# Altium PCB SAMD21_Xplained_Pro.PcbDoc (part 2 of 2) (continued)
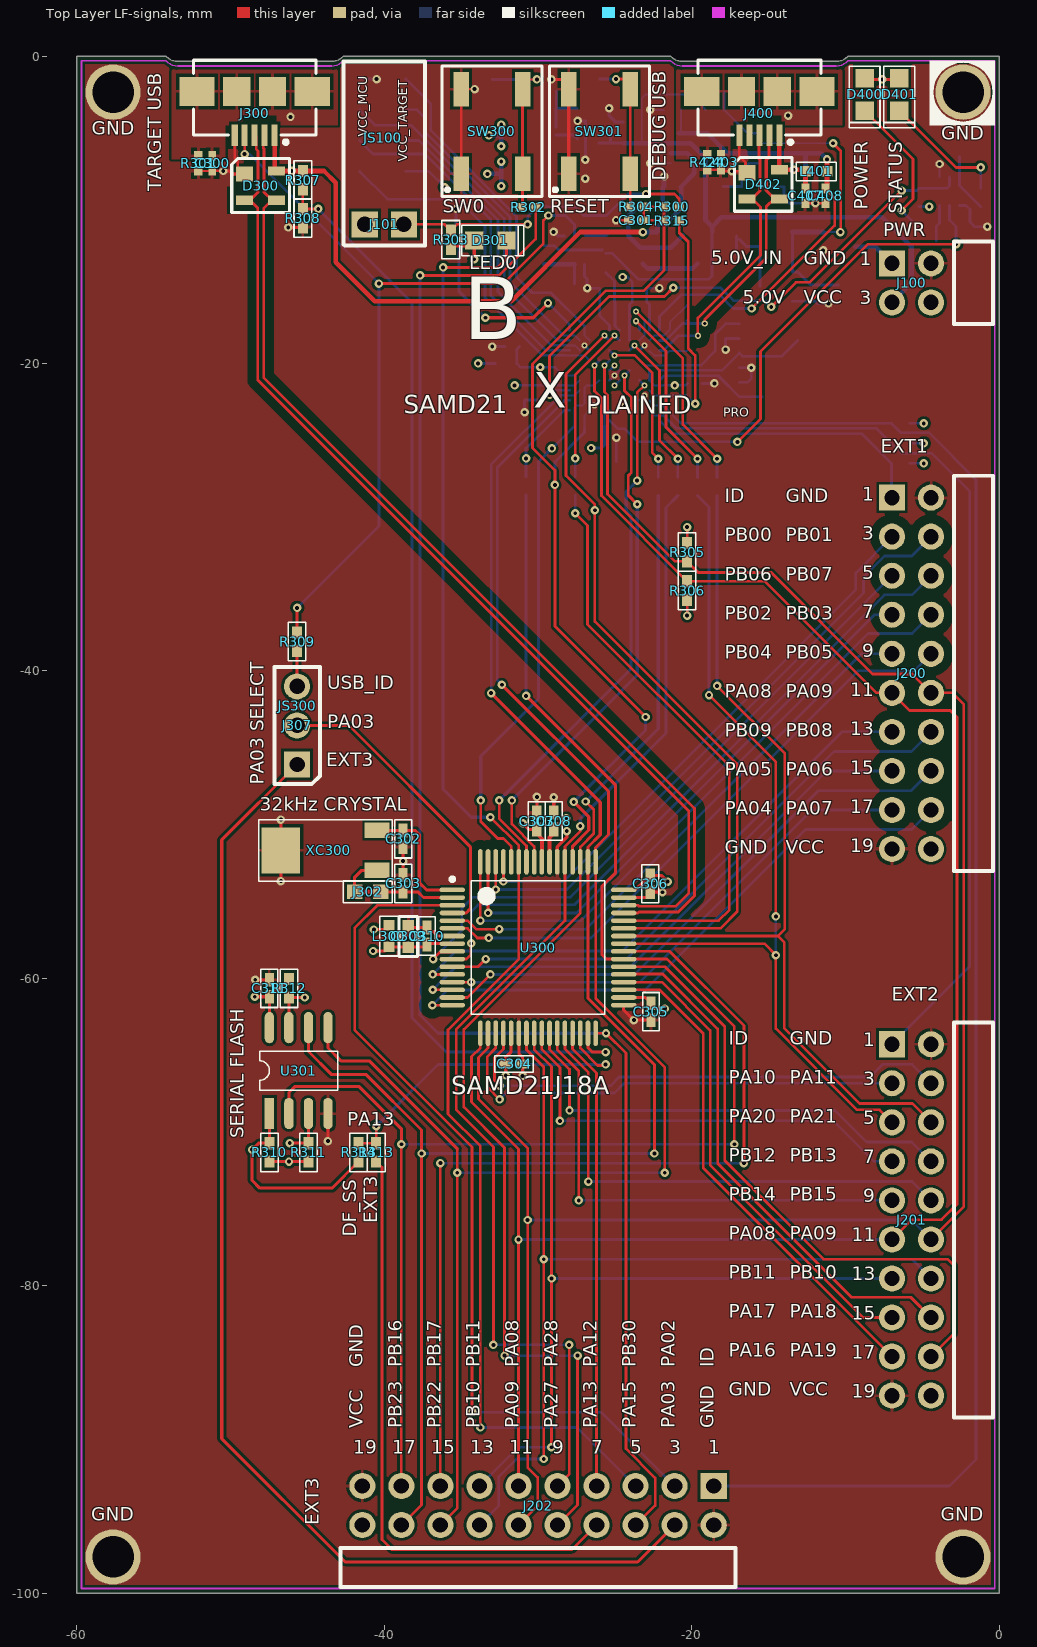
[diagram p0: Top Layer LF-signals view]
## Nets (pads, with @x,y where several pads share a name; then routed paths per layer and width w, separated by ;. In a path a pad name is that pad's centre, name@x,y a point inside that pad or via, vN(x,y) a via of type N, cw(c..) or ccw(c..) an arc to the next point about the centre after c; other vN are vias at no path point) (continued)
  Bottom Layer LF-signals w0.3: v4(-33.19,-5.165) R108.2@-32.39,-5.165 ; v4(-32.39,-5.865) R108.2@-32.39,-5.165 ; v4(-32.39,-4.465) R108.2@-32.39,-5.165
VCC_TARGET_USB_P5V0: C103.1 D300.4 J300.1 Q104.2 R105.2 R307.2 U101.6 | length 43.9
  Top Layer LF-signals w0.3: J300.1@-47.134,-5.15 -47.134,-7.344 D300.4@-47,-7.478 -43.922,-7.478 -43.15,-8.25 -43.15,-13.425 -40.625,-15.95 -31.75,-15.95 -27.25,-11.45 v1(-23.175,-11.45)
  Bottom Layer LF-signals w0.2: U101.6@-21.325,-6.3 -20.6,-6.3 U101.6@-20.575,-6.325
  Bottom Layer LF-signals w0.3: v1(-23.175,-11.45) -22.25,-11.45 Q104.2@-22.225,-11.425 -22.225,-11.125 -21.8,-10.7 -21.475,-10.7 -20.675,-9.9 R105.2@-20.675,-9.775 -20.675,-8.525 C103.1@-20.7,-8.5 -19.825,-7.625 -19.825,-6.8 -20.3,-6.325 -20.575,-6.325 U101.6@-21.35,-6.325
  other v3: -46.025,-7.475
XIN0: C400.1 U400.A5 XC400.1 | length 7.4
  Bottom Layer LF-signals w0.175: U400.A5@-22.1,-21.1 -21.8,-20.8 -18.275,-20.8 C400.1@-16.9,-22.175 XC400.1@-15.425,-22.175
XOUT0: C401.1 U400.A6 XC400.3 | length 10
  Bottom Layer LF-signals w0.175: U400.A6@-22.1,-20.45 -18.025,-20.45 C401.1@-16.9,-19.325 -16.7,-19.525 -14.125,-19.525 XC400.3@-13.1,-18.5
pads on no net: J100.1@-6.97,-13.49 J100.2@-4.43,-13.49 J100.3@-6.97,-16.03 J100.4@-4.43,-16.03 J200.1@-6.97,-28.73 J200.2@-4.43,-28.73 J200.3@-6.97,-31.27 J200.4@-4.43,-31.27 J200.5@-6.97,-33.81 J200.6@-4.43,-33.81 J200.7@-6.97,-36.35 J200.8@-4.43,-36.35 J200.9@-6.97,-38.89 J200.10@-4.43,-38.89 J200.11@-6.97,-41.43 J200.12@-4.43,-41.43 J200.13@-6.97,-43.97 J200.14@-4.43,-43.97 J200.15@-6.97,-46.51 J200.16@-4.43,-46.51 J200.17@-6.97,-49.05 J200.18@-4.43,-49.05 J200.19@-6.97,-51.59 J200.20@-4.43,-51.59 J201.1@-6.97,-64.29 J201.2@-4.43,-64.29 J201.3@-6.97,-66.83 J201.4@-4.43,-66.83 J201.5@-6.97,-69.37 J201.6@-4.43,-69.37 J201.7@-6.97,-71.91 J201.8@-4.43,-71.91 J201.9@-6.97,-74.45 J201.10@-4.43,-74.45 J201.11@-6.97,-76.99 J201.12@-4.43,-76.99 J201.13@-6.97,-79.53 J201.14@-4.43,-79.53 J201.15@-6.97,-82.07 J201.16@-4.43,-82.07 J201.17@-6.97,-84.61 J201.18@-4.43,-84.61 J201.19@-6.97,-87.15 J201.20@-4.43,-87.15 J202.1@-18.57,-93.03 J202.2@-18.57,-95.57 J202.3@-21.11,-93.03 J202.4@-21.11,-95.57 J202.5@-23.65,-93.03 J202.6@-23.65,-95.57 J202.7@-26.19,-93.03 J202.8@-26.19,-95.57 J202.9@-28.73,-93.03 J202.10@-28.73,-95.57 J202.11@-31.27,-93.03 J202.12@-31.27,-95.57 J202.13@-33.81,-93.03 J202.14@-33.81,-95.57 J202.15@-36.35,-93.03 J202.16@-36.35,-95.57 J202.17@-38.89,-93.03 J202.18@-38.89,-95.57 J202.19@-41.43,-93.03 J202.20@-41.43,-95.57 J307.1@-45.675,-46.09 J307.2@-45.675,-43.55 J307.3@-45.675,-41.01 J400.4 U100.0 U100.2 U100.4 U100.6 U400.A2 U400.A3 U400.A4 U400.A7 U400.B1 U400.B7 U400.C1 U400.C2 U400.C4 U400.C6 U400.D1 U400.D2 U400.D3 U400.D4 U400.D5 U400.D7 U400.E1 U400.E3 U400.E4 U400.E7 U400.E8 U400.F3 U400.F4 U400.G1 U400.G2 U400.G3 U400.G4 U400.G6 U400.G8 U400.G9 U400.G10 U400.H1 U400.H4 U400.H5 U400.H6 U400.H10 U400.J1 U400.J2 U400.J3 U400.J7 U400.J10 U400.K1 U400.K5 U400.K6 U400.K7 XC400.2 XC400.4

## Polygon pours and split planes (outlines as drawn)
no net on Top Overlay "MountingHole_Index" (solid): -4.5,-0.3 -0.3,-0.3 -0.3,-4.5 -4.5,-4.5
GND on Top Layer LF-signals "Top_GND_fill" (solid, remove dead copper, pour order 13): -59.7,-0.3 -0.3,-0.3 -0.3,-99.7 -59.7,-99.7
SHIELD on Top Layer LF-signals "SHIELD_DEBUGUSB" (solid, pour order 10): -21,-0.3 -10.2,-0.3 -10.2,-4.5 -17.5,-4.5 -17.5,-6.7 -21,-6.7
TARGET_USB_SHIELD on Top Layer LF-signals "SHIELD_TARGETUSB" (solid, pour order 11): -53.834,-0.3 -43.034,-0.3 -43.034,-4.5 -50.334,-4.5 -50.334,-6.7 -53.834,-6.7
GND on Bottom Layer LF-signals "Regulator_GND" (solid, remove dead copper, pour order 9): -28.275,-2.275 -28.275,-9.275 -24.975,-9.275 -24.975,-2.275
VCC_P3V3 on Bottom Layer LF-signals "Regulator_P3V3" (solid, pour order 8): -27.925,-2.275 -27.925,-9.275 -31.79,-9.275 -31.79,-2.275 -27.925,-2.275
GND on Bottom Layer LF-signals "Bottom_GND_Fill" (solid, remove dead copper, pour order 12): -59.7,-0.3 -0.3,-0.3 -0.3,-99.7 -59.7,-99.7
GND on GND (split plane): -0.252,-99.748 -59.748,-99.748 -59.748,-0.252 -54.314,-0.252 -54.237,-0.321 -54.119,-0.405 -53.992,-0.474 -53.859,-0.53 -53.72,-0.57 -53.578,-0.594 -53.435,-0.602 -53.434,-0.602 -43.434,-0.602 -43.433,-0.602 -43.29,-0.594 -43.148,-0.57 -43.009,-0.53 -42.876,-0.474 -42.749,-0.405 -42.631,-0.321 -42.554,-0.252 -21.48,-0.252 -21.403,-0.321 -21.285,-0.405 -21.158,-0.474 -21.025,-0.53 -20.886,-0.57 -20.744,-0.594 -20.601,-0.602 -20.6,-0.602 -10.6,-0.602 -10.599,-0.602 -10.456,-0.594 -10.314,-0.57 -10.175,-0.53 -10.042,-0.474 -9.915,-0.405 -9.797,-0.321 -9.72,-0.252 -0.252,-0.252
VCC_EDBG_P3V3 on POWER (split plane): -0.252,-14.323 -5.9,-14.323 -5.946,-14.33 -5.988,-14.347 -6.025,-14.375 -6.053,-14.412 -6.07,-14.454 -6.077,-14.5 -6.077,-17.5 -6.07,-17.546 -6.053,-17.588 -6.025,-17.625 -4.677,-18.973 -4.677,-27.323 -33.927,-27.323 -36.598,-24.652 -36.598,-8.048 -35.077,-6.527 -31.898,-6.527 -31.852,-6.521 -31.81,-6.503 -31.773,-6.475 -31.675,-6.377 -31.647,-6.34 -31.63,-6.298 -31.623,-6.252 -31.623,-0.252 -21.48,-0.252 -21.403,-0.321 -21.285,-0.405 -21.158,-0.474 -21.025,-0.53 -20.886,-0.57 -20.744,-0.594 -20.601,-0.602 -20.6,-0.602 -10.6,-0.602 -10.599,-0.602 -10.456,-0.594 -10.314,-0.57 -10.175,-0.53 -10.042,-0.474 -9.915,-0.405 -9.797,-0.321 -9.72,-0.252 -0.252,-0.252
VCC_MCU_P3V3 on POWER (split plane): -40.177,-10.098 -40.177,-44.8 -40.17,-44.846 -40.153,-44.888 -40.125,-44.925 -37.525,-47.525 -37.488,-47.553 -37.446,-47.57 -37.4,-47.577 -19.548,-47.577 -18.352,-48.773 -18.352,-67.352 -20.148,-69.148 -37.727,-69.148 -41.173,-65.702 -41.173,-47.85 -41.18,-47.804 -41.197,-47.762 -41.225,-47.725 -42.473,-46.477 -42.473,-10.073 -42.102,-9.702 -40.573,-9.702
VCC_TARGET_P3V3 on POWER (split plane): -31.977,-6.173 -35.15,-6.173 -35.196,-6.18 -35.238,-6.197 -35.275,-6.225 -36.9,-7.85 -36.928,-7.887 -36.945,-7.929 -36.952,-7.975 -36.952,-24.725 -36.945,-24.771 -36.928,-24.813 -36.9,-24.85 -34.125,-27.625 -34.088,-27.653 -34.046,-27.67 -34,-27.677 -4.5,-27.677 -4.454,-27.67 -4.412,-27.653 -4.375,-27.625 -4.347,-27.588 -4.33,-27.546 -4.323,-27.5 -4.323,-18.9 -4.33,-18.854 -4.347,-18.812 -4.375,-18.775 -5.723,-17.427 -5.723,-14.677 -0.252,-14.677 -0.252,-99.748 -59.748,-99.748 -59.748,-0.252 -54.314,-0.252 -54.237,-0.321 -54.119,-0.405 -53.992,-0.474 -53.859,-0.53 -53.72,-0.57 -53.578,-0.594 -53.435,-0.602 -53.434,-0.602 -43.434,-0.602 -43.433,-0.602 -43.29,-0.594 -43.148,-0.57 -43.009,-0.53 -42.876,-0.474 -42.749,-0.405 -42.631,-0.321 -42.554,-0.252 -31.977,-0.252

## Keep-outs
Keep-Out Layer:
  lines w0.1: -59.7,-99.7 -0.3,-99.7 -0.3,-0.3 -9.825,-0.3 cw(c-10.6,0.386) -10.6,-0.649 -20.599,-0.649 cw(c-20.599,0.386) -21.375,-0.3 -42.658,-0.3 cw(c-43.434,0.386) -43.434,-0.649 -53.433,-0.649 cw(c-53.433,0.386) -54.209,-0.3 -59.7,-0.3 -59.7,-99.7

## Other copper
POWER (plane layer: these items are gaps in the copper):
  lines w0.35: -31.8,0.075 -31.8,-6.252 -31.898,-6.35 -35.15,-6.35 -36.775,-7.975 -36.775,-24.725 -34,-27.5 -4.5,-27.5 -4.5,-18.9 -5.9,-17.5 -5.9,-14.5 0,-14.5 ; -42.65,-46.55 -41.35,-47.85 -41.35,-65.775 -37.8,-69.325 -20.075,-69.325 -18.175,-67.425 -18.175,-48.7 -19.475,-47.4 -37.4,-47.4 -40,-44.8 -40,-10.025 -40.5,-9.525 -42.175,-9.525 -42.65,-10 -42.65,-46.55

## Silkscreen, mask and mechanical layers (free items; w line width, h text height)
Top Overlay:
  pour cut-out: -4.25,-2.35 ccw(c-2.35,-2.35) -2.35,-4.25 ccw(c-2.35,-2.35) -0.45,-2.35 ccw(c-2.35,-2.35) -2.35,-0.45 ccw(c-2.35,-2.35)
  text "VCC_MCU" at -40.925,-5.246 h1 r90
  text "GND" at -59.025,-5.4 h1.52
  text "GND" at -3.75,-5.75 h1.52
  text "VCC_TARGET" at -38.3,-6.875 h1 r90
  text "DEBUG USB" at -21.4,-8.1 h1.5 r90
  text "TARGET USB" at -54.234,-8.799 h1.5 r90
  text "POWER" at -8.25,-10 h1.5 r90
  text "STATUS" at -6,-10.25 h1.5 r90
  text "SW0" at -36.2,-10.5 h1.5
  text "RESET" at -29.2,-10.5 h1.5
  text "PWR" at -7.525,-12.025 h1.5
  text "5.0V_IN" at -18.725,-13.85 h1.5
  text "GND" at -12.717,-13.879 h1.5
  text "1" at -9.063,-13.913 h1.5
  text "LED0" at -34.475,-14.15 h1.5
  text "5.0V" at -16.684,-16.42 h1.5
  text "VCC" at -12.717,-16.42 h1.5
  text "3" at -9.063,-16.453 h1.5
  text "B" at -34.875,-19.75 h7
  text "SAMD21" at -38.75,-23.623 h2
  text "X" at -30.3,-23.65 h4
  text "PLAINED" at -26.875,-23.65 h2
  text "PRO" at -17.95,-23.65 h1
  text "EXT1" at -7.7,-26.1 h1.5
  text "1" at -8.913,-29.238 h1.5
  text "ID" at -17.847,-29.33 h1.5
  text "GND" at -13.88,-29.33 h1.5
  text "3" at -8.913,-31.778 h1.5
  text "PB00" at -17.847,-31.871 h1.5
  text "PB01" at -13.88,-31.871 h1.5
  text "5" at -8.913,-34.318 h1.5
  text "PB06" at -17.847,-34.417 h1.5
  text "PB07" at -13.88,-34.417 h1.5
  text "7" at -8.913,-36.858 h1.5
  text "PB02" at -17.847,-36.958 h1.5
  text "PB03" at -13.88,-36.958 h1.5
  text "9" at -8.913,-39.398 h1.5
  text "PB04" at -17.847,-39.49 h1.5
  text "PB05" at -13.88,-39.49 h1.5
  text "USB_ID" at -43.725,-41.474 h1.5
  text "11" at -9.675,-41.938 h1.5
  text "PA08" at -17.847,-42.03 h1.5
  text "PA09" at -13.88,-42.03 h1.5
  text "PA03" at -43.725,-44.014 h1.5
  text "13" at -9.675,-44.478 h1.5
  text "PB09" at -17.847,-44.57 h1.5
  text "PB08" at -13.88,-44.57 h1.5
  text "EXT3" at -43.775,-46.5 h1.5
  text "15" at -9.675,-47.018 h1.5
  text "PA05" at -17.847,-47.11 h1.5
  text "PA06" at -13.88,-47.11 h1.5
  text "PA03 SELECT" at -47.561,-47.4 h1.5 r90
  text "32kHz CRYSTAL" at -48.1,-49.4 h1.5
  text "17" at -9.675,-49.558 h1.5
  text "PA04" at -17.847,-49.65 h1.5
  text "PA07" at -13.88,-49.65 h1.5
  text "19" at -9.675,-52.098 h1.5
  text "GND" at -17.847,-52.19 h1.5
  text "VCC" at -13.88,-52.19 h1.5
  text "EXT2" at -6.978,-61.75 h1.5
  text "ID" at -17.597,-64.605 h1.5
  text "GND" at -13.63,-64.605 h1.5
  text "1" at -8.838,-64.713 h1.5
  text "PA10" at -17.597,-67.146 h1.5
  text "PA11" at -13.63,-67.146 h1.5
  text "3" at -8.838,-67.253 h1.5
  text "SAMD21J18A" at -35.655,-67.945 h2
  text "PA20" at -17.597,-69.692 h1.5
  text "PA21" at -13.63,-69.692 h1.5
  text "5" at -8.838,-69.793 h1.5
  text "PA13" at -42.4,-69.9 h1.5
  text "SERIAL FLASH" at -48.85,-70.4 h1.5 r90
  text "PB12" at -17.597,-72.233 h1.5
  text "PB13" at -13.63,-72.233 h1.5
  text "7" at -8.838,-72.333 h1.5
  text "PB14" at -17.597,-74.765 h1.5
  text "PB15" at -13.63,-74.765 h1.5
  text "9" at -8.838,-74.873 h1.5
  text "EXT3" at -40.175,-75.925 h1.5 r90
  text "DF_SS" at -41.525,-76.825 h1.5 r90
  text "PA08" at -17.597,-77.305 h1.5
  text "PA09" at -13.63,-77.305 h1.5
  text "11" at -9.6,-77.413 h1.5
  text "PB11" at -17.597,-79.845 h1.5
  text "PB10" at -13.63,-79.845 h1.5
  text "13" at -9.6,-79.953 h1.5
  text "PA17" at -17.597,-82.385 h1.5
  text "PA18" at -13.63,-82.385 h1.5
  text "15" at -9.6,-82.493 h1.5
  text "PA16" at -17.597,-84.925 h1.5
  text "PA19" at -13.63,-84.925 h1.5
  text "17" at -9.6,-85.033 h1.5
  text "GND" at -41.12,-85.305 h1.5 r90
  text "PB16" at -38.579,-85.305 h1.5 r90
  text "PB17" at -36.033,-85.305 h1.5 r90
  text "PB11" at -33.492,-85.305 h1.5 r90
  text "PA08" at -30.96,-85.305 h1.5 r90
  text "PA28" at -28.42,-85.305 h1.5 r90
  text "PA12" at -25.88,-85.305 h1.5 r90
  text "PB30" at -23.34,-85.305 h1.5 r90
  text "PA02" at -20.8,-85.305 h1.5 r90
  text "ID" at -18.26,-85.305 h1.5 r90
  text "GND" at -17.597,-87.465 h1.5
  text "VCC" at -13.63,-87.465 h1.5
  text "19" at -9.6,-87.573 h1.5
  text "VCC" at -41.12,-89.272 h1.5 r90
  text "PB23" at -38.579,-89.272 h1.5 r90
  text "PB22" at -36.033,-89.272 h1.5 r90
  text "PB10" at -33.492,-89.272 h1.5 r90
  text "PA09" at -30.96,-89.272 h1.5 r90
  text "PA27" at -28.42,-89.272 h1.5 r90
  text "PA13" at -25.88,-89.272 h1.5 r90
  text "PA15" at -23.34,-89.272 h1.5 r90
  text "PA03" at -20.8,-89.272 h1.5 r90
  text "GND" at -18.26,-89.272 h1.5 r90
  text "19" at -42.03,-91.214 h1.5
  text "17" at -39.49,-91.214 h1.5
  text "15" at -36.95,-91.214 h1.5
  text "13" at -34.41,-91.214 h1.5
  text "11" at -31.87,-91.214 h1.5
  text "9" at -29.076,-91.214 h1.5
  text "7" at -26.536,-91.214 h1.5
  text "5" at -23.996,-91.214 h1.5
  text "3" at -21.456,-91.214 h1.5
  text "1" at -18.916,-91.214 h1.5
  text "GND" at -59.075,-95.575 h1.52
  text "EXT3" at -43.97,-95.57 h1.5 r90
  text "GND" at -3.8,-95.6 h1.52
Bottom Overlay:
  lines w0.1: -16.35,-22.85 -16.35,-23.075 -16.175,-23.25 -15.95,-23.25
  text "BOOT" at -34.05,-1.9 h1.5
  text "GND" at -42.6,-2 h1.5
  text "TCK" at -42.6,-4 h1.5
  text "RST" at -34.827,-4 h1.5
  text "TDI" at -42.6,-6 h1.5
  text "TDO" at -34.6,-6 h1.5
  text "TMS" at -42.6,-8 h1.5
  text "VCC" at -34.621,-8 h1.5
  text "EXT" at -6.25,-12.175 h0.67
  text "GND" at -0.9,-13.8 h0.67
  text "5.0V" at -8.2,-16.35 h0.67
  text "3.3V" at -0.9,-16.35 h0.67
  text "ID" at -8.142,-29.035 h0.67
  text "GND" at -0.795,-29.035 h0.67
  text "PB00" at -8.142,-31.574 h0.67
  text "PB01" at -0.795,-31.574 h0.67
  text "PB06" at -8.142,-34.113 h0.67
  text "PB07" at -0.795,-34.113 h0.67
  text "PB02" at -8.142,-36.652 h0.67
  text "PB03" at -0.795,-36.652 h0.67
  text "PB04" at -8.142,-39.192 h0.67
  text "PB05" at -0.795,-39.192 h0.67
  text "PA08" at -8.142,-41.731 h0.67
  text "PA09" at -0.795,-41.731 h0.67
  text "PB09" at -8.142,-44.27 h0.67
  text "PB08" at -0.795,-44.27 h0.67
  text "PA05" at -8.142,-46.809 h0.67
  text "PA06" at -0.795,-46.809 h0.67
  text "PA04" at -8.142,-49.349 h0.67
  text "PA07" at -0.795,-49.349 h0.67
  text "GND" at -8.142,-51.888 h0.67
  text "VCC" at -0.795,-51.888 h0.67
  text "XPLAINED PRO" at -18.9,-62.218 h0.67
  text "EXTENSION HEADER" at -17.556,-63.368 h0.67
  text "GND" at -0.75,-64.595 h0.67
  text "ID" at -8.142,-64.67 h0.67
  text "ID" at -22.825,-66.4 h1.3
  text "GND" at -15.7,-66.4 h1.3
  text "PA11" at -0.75,-67.134 h0.67
  text "PA10" at -8.142,-67.209 h0.67
  text "ADC+" at -22.825,-68.525 h1.3
  text "ADC-" at -15.7,-68.525 h1.3
  text "PA21" at -0.75,-69.673 h0.67
  text "PA20" at -8.142,-69.748 h0.67
  text "GPIO0" at -22.825,-70.65 h1.3
  text "GPIO1" at -15.7,-70.65 h1.3
  text "PB13" at -0.75,-72.212 h0.67
  text "PB12" at -8.142,-72.287 h0.67
  text "PWM+" at -22.825,-72.775 h1.3
  text "PWM-" at -15.7,-72.775 h1.3
  text "PB15" at -0.75,-74.752 h0.67
  text "PB14" at -8.142,-74.827 h0.67
  text "IRQ" at -22.825,-74.9 h1.3
  text "SPI_SS_B" at -15.7,-74.9 h1.3
  text "TWI_SDA" at -22.825,-77.025 h1.3
  text "TWI_SCL" at -15.7,-77.025 h1.3
  text "PA09" at -0.75,-77.291 h0.67
  text "PA08" at -8.142,-77.366 h0.67
  text "p" at -49.95,-77.55 h4 r270
  text "UART_RX" at -22.825,-79.15 h1.3
  text "UART_TX" at -15.7,-79.15 h1.3
  text "PB10" at -0.75,-79.83 h0.67
  text "PB11" at -8.142,-79.905 h0.67
  text "t" at -48.975,-81.125 h4 r270
  text "SPI_SS_A" at -22.825,-81.275 h1.3
  text "SPI_MOSI" at -15.7,-81.275 h1.3
  text "PA18" at -0.75,-82.369 h0.67
  text "PA17" at -8.142,-82.444 h0.67
  text "SPI_MISO" at -22.825,-83.4 h1.3
  text "SPI_SCK" at -15.7,-83.4 h1.3
  text "PA19" at -0.75,-84.909 h0.67
  text "PA16" at -8.142,-84.984 h0.67
  text "GND" at -22.825,-85.525 h1.3
  text "VCC" at -15.7,-85.525 h1.3
  text "c" at -50,-86.325 h4 r270
  text "VCC" at -0.75,-87.448 h0.67
  text "GND" at -8.142,-87.523 h0.67
  text "A08-1905 Rev 1" at -58.05,-87.6 h2 r270
  text "Atmel Corp © 2013" at -52,-89.45 h2 r270
  text "GND" at -41.653,-91.853 h0.67 r270
  text "PB16" at -39.114,-91.853 h0.67 r270
  text "PB17" at -36.574,-91.853 h0.67 r270
  text "PB11" at -34.035,-91.853 h0.67 r270
  text "PA08" at -31.496,-91.853 h0.67 r270
  text "PA28" at -28.957,-91.853 h0.67 r270
  text "PA12" at -26.417,-91.853 h0.67 r270
  text "PB30" at -23.878,-91.853 h0.67 r270
  text "PA02" at -21.339,-91.853 h0.67 r270
  text "ID" at -18.8,-91.853 h0.67 r270
  text "VCC" at -41.653,-99.295 h0.67 r270
  text "PB23" at -39.114,-99.295 h0.67 r270
  text "PB22" at -36.574,-99.295 h0.67 r270
  text "PB10" at -34.035,-99.295 h0.67 r270
  text "PA09" at -31.496,-99.295 h0.67 r270
  text "PA27" at -28.957,-99.295 h0.67 r270
  text "PA13" at -26.417,-99.295 h0.67 r270
  text "PA15" at -23.878,-99.295 h0.67 r270
  text "PA03" at -21.339,-99.295 h0.67 r270
  text "GND" at -18.8,-99.295 h0.67 r270
Mechanical 1:
  lines w0.1: -19.1,-0.353 -12.082,-0.353 ; -60,-100 0,-100 0,0 -9.825,0 cw(c-10.6,0.686) -10.6,-0.35 -20.6,-0.35 cw(c-20.6,0.686) -21.375,-0.001 -42.659,0 cw(c-43.434,0.686) -43.434,-0.35 -53.434,-0.35 cw(c-53.434,0.686) -54.209,-0.001 -60,0 -60,-100
Mechanical 4:
  circle w0.2: c-57.65,-2.35 r1.35
  circle w0.2: c-2.35,-2.35 r1.35
  circle w0.254: c-4.43,-16.03 r0.5
  circle w0.254: c-6.97,-16.03 r0.5
  circle w0.254: c-6.97,-13.49 r0.5
  circle w0.254: c-4.43,-13.49 r0.5
  circle w0.254: c-6.97,-51.59 r0.5
  circle w0.254: c-4.43,-51.59 r0.5
  circle w0.254: c-4.43,-49.05 r0.5
  circle w0.254: c-6.97,-49.05 r0.5
  circle w0.254: c-6.97,-46.51 r0.5
  circle w0.254: c-4.43,-46.51 r0.5
  circle w0.254: c-4.43,-43.97 r0.5
  circle w0.254: c-6.97,-43.97 r0.5
  circle w0.254: c-4.43,-41.43 r0.5
  circle w0.254: c-6.97,-41.43 r0.5
  circle w0.254: c-6.97,-38.89 r0.5
  circle w0.254: c-4.43,-38.89 r0.5
  circle w0.254: c-4.43,-36.35 r0.5
  circle w0.254: c-6.97,-36.35 r0.5
  circle w0.254: c-4.43,-33.81 r0.5
  circle w0.254: c-6.97,-33.81 r0.5
  circle w0.254: c-4.43,-31.27 r0.5
  circle w0.254: c-6.97,-31.27 r0.5
  circle w0.254: c-4.43,-28.73 r0.5
  circle w0.254: c-6.97,-28.73 r0.5
  circle w0.2: c-2.35,-97.65 r1.35
  circle w0.2: c-57.65,-97.65 r1.35
  circle w0.254: c-41.43,-93.03 r0.5
  circle w0.254: c-41.43,-95.57 r0.5
  circle w0.254: c-38.89,-95.57 r0.5
  circle w0.254: c-38.89,-93.03 r0.5
  circle w0.254: c-36.35,-93.03 r0.5
  circle w0.254: c-36.35,-95.57 r0.5
  circle w0.254: c-33.81,-95.57 r0.5
  circle w0.254: c-33.81,-93.03 r0.5
  circle w0.254: c-31.27,-95.57 r0.5
  circle w0.254: c-31.27,-93.03 r0.5
  circle w0.254: c-28.73,-93.03 r0.5
  circle w0.254: c-28.73,-95.57 r0.5
  circle w0.254: c-26.19,-95.57 r0.5
  circle w0.254: c-26.19,-93.03 r0.5
  circle w0.254: c-23.65,-95.57 r0.5
  circle w0.254: c-23.65,-93.03 r0.5
  circle w0.254: c-21.11,-95.57 r0.5
  circle w0.254: c-21.11,-93.03 r0.5
  circle w0.254: c-18.57,-95.57 r0.5
  circle w0.254: c-18.57,-93.03 r0.5
  circle w0.254: c-6.97,-64.29 r0.5
  circle w0.254: c-4.43,-64.29 r0.5
  circle w0.254: c-6.97,-66.83 r0.5
  circle w0.254: c-4.43,-66.83 r0.5
  circle w0.254: c-6.97,-69.37 r0.5
  circle w0.254: c-4.43,-69.37 r0.5
  circle w0.254: c-6.97,-71.91 r0.5
  circle w0.254: c-4.43,-71.91 r0.5
  circle w0.254: c-4.43,-74.45 r0.5
  circle w0.254: c-6.97,-74.45 r0.5
  circle w0.254: c-6.97,-76.99 r0.5
  circle w0.254: c-4.43,-76.99 r0.5
  circle w0.254: c-6.97,-79.53 r0.5
  circle w0.254: c-4.43,-79.53 r0.5
  circle w0.254: c-4.43,-82.07 r0.5
  circle w0.254: c-6.97,-82.07 r0.5
  circle w0.254: c-6.97,-84.61 r0.5
  circle w0.254: c-4.43,-84.61 r0.5
  circle w0.254: c-4.43,-87.15 r0.5
  circle w0.254: c-6.97,-87.15 r0.5
  rectangle: -17.116,-5.85 -16.691,-4.45
  rectangle: -16.466,-5.85 -16.041,-4.45
  rectangle: -15.816,-5.85 -15.391,-4.45
  rectangle: -15.166,-5.85 -14.741,-4.45
  rectangle: -14.516,-5.85 -14.091,-4.45
  rectangle: -20.491,-3.25 -18.191,-1.35
  rectangle: -17.641,-3.25 -15.866,-1.35
  region: -13.559,-1.35 -15.334,-1.35 -15.334,-3.25 -13.559,-3.25
  region: -10.709,-1.35 -13.009,-1.35 -13.009,-3.25 -10.709,-3.25
  region: -43.543,-1.35 -45.843,-1.35 -45.843,-3.25 -43.543,-3.25
  region: -46.393,-1.35 -48.168,-1.35 -48.168,-3.25 -46.393,-3.25
  rectangle: -50.475,-3.25 -48.7,-1.35
  rectangle: -53.325,-3.25 -51.025,-1.35
  rectangle: -47.35,-5.85 -46.925,-4.45
  rectangle: -48,-5.85 -47.575,-4.45
  rectangle: -48.65,-5.85 -48.225,-4.45
  rectangle: -49.3,-5.85 -48.875,-4.45
  rectangle: -49.95,-5.85 -49.525,-4.45
  lines w0.1: -30.5,-94.3 -29.5,-94.3 ; -30,-94.792 -30,-93.792 ; -6.208,-75.72 -5.208,-75.72 ; -6.208,-40.16 -5.208,-40.16 ; -6.208,-14.76 -5.208,-14.76 ; -5.708,-15.26 -5.708,-14.26 ; -5.7,-76.22 -5.7,-75.22 ; -5.7,-40.66 -5.7,-39.66
  text "Medium MCU Connector Placement" at -63.316,6.575 h5
  text "TARGET USB" at -53.25,-7.575 h1
  text "DEBUG USB" at -19.95,-7.575 h1
  text "1" at -7.137,-12.05 h1
  text "2" at -4.763,-12.05 h1
  text "Power Header" at -22.594,-15.26 h1
  text "1" at -7.137,-27.29 h1
  text "2" at -4.763,-27.29 h1
  text "Extension Header 1" at -28.092,-40.66 h1
  text "1" at -7.137,-62.85 h1
  text "2" at -4.763,-62.85 h1
  text "Extension Header 2" at -28.092,-76.22 h1
  text "Extension Header 3" at -38.664,-91.138 h1
  text "1" at -15.78,-93.197 h1 r90
  text "2" at -15.78,-95.903 h1 r90
Mechanical 6:
  circle w0.254: c-57.65,-97.65 r1.35
  circle w0.254: c-2.35,-97.65 r1.35
  circle w0.254: c-2.35,-2.35 r1.35
  circle w0.254: c-57.65,-2.35 r1.35
  text "Medium MCU Mechanical Dimensions" at -65.366,11.05 h5
Mechanical 12:
  circle w0.5: c-26,-1.5 r0.25
  circle w0.5: c-33,-1.5 r0.25
  circle w0.5: c-38.6,-7.5 r0.25
  circle w0.5: c-38.6,-5.5 r0.25
  circle w0.5: c-38.6,-3.5 r0.25
  circle w0.5: c-38.6,-1.5 r0.25
  circle w0.5: c-41.6,-7.5 r0.25
  circle w0.5: c-41.6,-5.5 r0.25
  circle w0.5: c-41.6,-3.5 r0.25
  circle w0.5: c-41.6,-1.5 r0.25
  circle w0.2: c-2.35,-2.35 r1.35
  circle w0.2: c-57.65,-2.35 r1.35
  lines w0.3: -48.15,-22.225 -41.65,-22.225 -41.65,-8.425 ; -48.15,-20.075 -43.6,-20.075 -43.6,-5.525 ; -48.15,-17.8 -44.625,-17.8 -44.625,-3.475 -42.325,-3.475 ; -48.15,-15.725 -45.525,-15.725 -45.525,-1.5 -42.325,-1.5 ; -43.054,-6.2 -42.354,-5.5 -43.054,-4.8 ; -43.025,-4.175 -42.325,-3.475 ; -43.025,-2.775 -42.325,-3.475 ; -43.025,-2.2 -42.325,-1.5 ; -43.025,-0.8 -42.325,-1.5 ; -42.35,-9.125 -41.65,-8.425 ; -42.3,-9.225 -41.6,-8.525 -40.9,-9.225 ; -40.95,-9.125 -41.65,-8.425 ; -39.3,-9.225 -38.6,-8.525 -37.9,-9.225 ; -39.25,-9.125 -38.55,-8.425 ; -37.85,-9.125 -38.55,-8.425 ; -37.175,-6.125 -37.875,-5.425 ; -37.175,-4.725 -37.875,-5.425 ; -37.175,-4.175 -37.875,-3.475 ; -37.175,-2.775 -37.875,-3.475 ; -37.175,-2.2 -37.875,-1.5 ; -37.175,-0.8 -37.875,-1.5 ; -33.675,-3.25 -32.975,-2.55 ; -32.975,-7.125 -32.975,-2.55 ; -32.275,-3.25 -32.975,-2.55 ; -32.05,-22.225 -38.55,-22.225 -38.55,-8.425 ; -32.05,-20.075 -36.6,-20.075 -36.6,-5.425 -37.875,-5.425 ; -32.05,-17.8 -35.575,-17.8 -35.575,-3.475 -37.875,-3.475 ; -32.05,-15.725 -34.675,-15.725 -34.675,-1.5 -37.875,-1.5 ; -26.7,-3.2 -26,-2.5 ; -26,-4.5 -26,-2.5 ; -25.3,-3.2 -26,-2.5
  text "Medium MCU Test Points Placement" at -64.211,15.189 h5
  text "TP_TARGET_RESET" at -26.425,-6.075 h1
  text "TP_TARGET_BOOT" at -33.45,-8.7 h1
  text "TP_GND" at -54.427,-16.175 h1
  text "TP_EDBG_BOOT" at -31.25,-16.175 h1
  text "TP_EDBG_TCK" at -59.377,-18.383 h1
  text "TP_EDBG_RESET" at -31.25,-18.383 h1
  text "TP_EDBG_TDI" at -59.044,-20.592 h1
  text "TP_EDBG_TDO" at -31.25,-20.592 h1
  text "TP_EDBG_TMS" at -59.377,-22.8 h1
  text "TP_VCC_EDBG_P3V3" at -31.25,-22.8 h1
  text "TEST POINTS ON BOTTOM LAYER" at -52.725,-27.9 h1
Mechanical 16:
  lines w0.127: -219,-126.915 -213.92,-126.915 ; -219,-56.255 -213.92,-56.255 ; -219,14.23 -213.92,14.23 ; -169.724,-197.4 -169.724,-192.32 ; -169.724,79.46 -169.724,84.54 ; -125.7,79.46 -125.7,84.54 ; -120.575,-197.4 -120.575,-192.32 ; -76.525,79.46 -76.525,84.54 ; -71.426,-197.4 -71.426,-192.32 ; -22.15,-197.4 -22.15,-192.32 ; -22.15,79.46 -22.15,84.54 ; 26.999,-197.4 26.999,-192.32 ; 26.999,79.46 26.999,84.54 ; 55.32,-184.7 169.62,-184.7 ; 55.32,-177.08 169.62,-177.08 ; 55.32,-169.46 93.42,-169.46 ; 76.148,-197.4 76.148,-192.32 ; 76.148,79.46 76.148,84.54 ; 93.42,-192.32 93.42,-177.08 93.42,-161.84 ; 125.424,-197.4 125.424,-192.32 ; 125.424,79.46 125.424,84.54 ; 146.76,-192.32 146.76,-177.08 ; 169.62,-126.915 174.7,-126.915 ; 169.62,-56.3 174.7,-56.3 ; 169.62,14.185 174.7,14.185 ; 55.32,-192.32 55.32,-161.84 ; 55.32,-192.32 169.62,-192.32 ; 55.32,-192.32 19.76,-192.32 19.76,-161.84 55.32,-161.84 ; 55.32,-161.84 93.42,-161.84 ; 93.42,-161.84 169.62,-161.84 169.62,-192.32 ; 169.62,-192.32 169.62,79.46 -213.92,79.46 -213.92,-192.32 169.62,-192.32 ; -219,-197.4 174.7,-197.4 174.7,84.54 -219,84.54 -219,-197.4
  text "1" at -194.963,81.111 h0.67
  text "4" at -47.372,81.111 h0.67
  text "5" at 1.904,81.111 h0.67
  text "6" at 50.926,81.111 h0.67
  text "7" at 100.456,81.111 h0.67
  text "8" at 149.478,81.111 h0.67
  text "2" at -148.474,80.975 h0.67
  text "3" at -101.924,80.825 h0.67
  text "A" at -217.095,47.301 h0.67
  text "A" at 171.525,47.256 h0.67
  text "B" at 171.605,-20.799 h0.67
  text "B" at -217.095,-23.311 h0.67
  text "C" at 172.25,-90.25 h0.67
  text "C" at -217.188,-91.488 h0.67
  text "D" at -217.095,-164.202 h0.67
  text "D" at 171.525,-164.202 h0.67
  text "ENGINEER:" at 56.59,-164.38 h0.67
  text "TITLE:" at 94.69,-164.38 h0.67
  text "PCB DESIGNER:" at 56.59,-171.873 h0.67
  text "B" at 20.75,-177 h22
  text "DATE:" at 56.59,-179.62 h0.67
  text "PART NO.:" at 94.69,-179.62 h0.67
  text "REV:" at 148.03,-179.62 h0.67
  text ".PRINT_DATE" at 56.7,-183.5 h0.67
  text "ATMEL NORWAY" at 24,-184.4 h0.67
  text "Vestre Rosten 79" at 23.97,-186.478 h0.67
  text "FILE NAME:" at 56.59,-187.24 h0.67
  text "DWG NO:" at 94.69,-187.24 h0.67
  text "SCALE:" at 148.03,-187.24 h0.67
  text "N-7075 Tiller" at 23.97,-189.78 h0.67
  text ".PCB_FILE_NAME_NO_PATH" at 57.86,-190.288 h0.67
  text "2" at -145.34,-195.688 h0.67
  text "3" at -95.81,-195.688 h0.67
  text "4" at -46.788,-195.688 h0.67
  text "5" at 1.904,-195.688 h0.67
  text "6" at 50.926,-195.688 h0.67
  text "7" at 100.456,-195.688 h0.67
  text "8" at 149.478,-195.688 h0.67

## Dimensions
0,0 to -15.6,-1.8 on Mechanical 4
-15.1,-2.3 to 0,0 on Mechanical 4
0,0 to -48.434,-1.8 on Mechanical 4
-5.208,-40.16 to 0,-100 on Mechanical 4
-5.208,-14.76 to 0,-100 on Mechanical 4
-29.5,-94.3 to 0,-100 on Mechanical 4
-30,-94.792 to 0,-100 on Mechanical 4
-5.208,-75.72 to 0,-100 on Mechanical 4
0,0 to 0,-100 on Mechanical 6
-57.65,-2.35 to -62.775,1.6 on Mechanical 6
-59,-97.65 to -60,-100 on Mechanical 6
-60,-100 to -57.65,-99 on Mechanical 6
-9.825,-0.001 to 0,0 on Mechanical 6
-21.375,-0.001 to 0,0 on Mechanical 6
-54.209,-0.001 to 0,0 on Mechanical 6
-42.702,-0.047 to 0,0 on Mechanical 6
-60,-100 to 0,-100 on Mechanical 6
0,0 to -26,-1.25 on Mechanical 12
0,0 to -33,-1.25 on Mechanical 12
0,0 to -38.6,-1.25 on Mechanical 12
0,0 to -41.6,-1.25 on Mechanical 12
-25.75,-1.5 to 0,0 on Mechanical 12
-41.85,-5.5 to -41.85,-7.5 on Mechanical 12

## Text inside footprints (layer, text, board x,y; h text height)
LABEL1: Bottom Overlay "PCBA LABEL" at -55.55,-85.875 h1.52 r270